# Altium PCB BDD_modul_ARM_v2.2_PCB.PcbDoc
Units mil, origin at the board's own origin, x right, y up, seen from the top; angles counter-clockwise.
Board outline 3858.27 x 3307.09 mil, 2 copper layers (Top Layer, Bottom Layer); 107 components, 72 nets, 361 pads, 130 vias.
Unrouted connection lines stored in the file: 1.
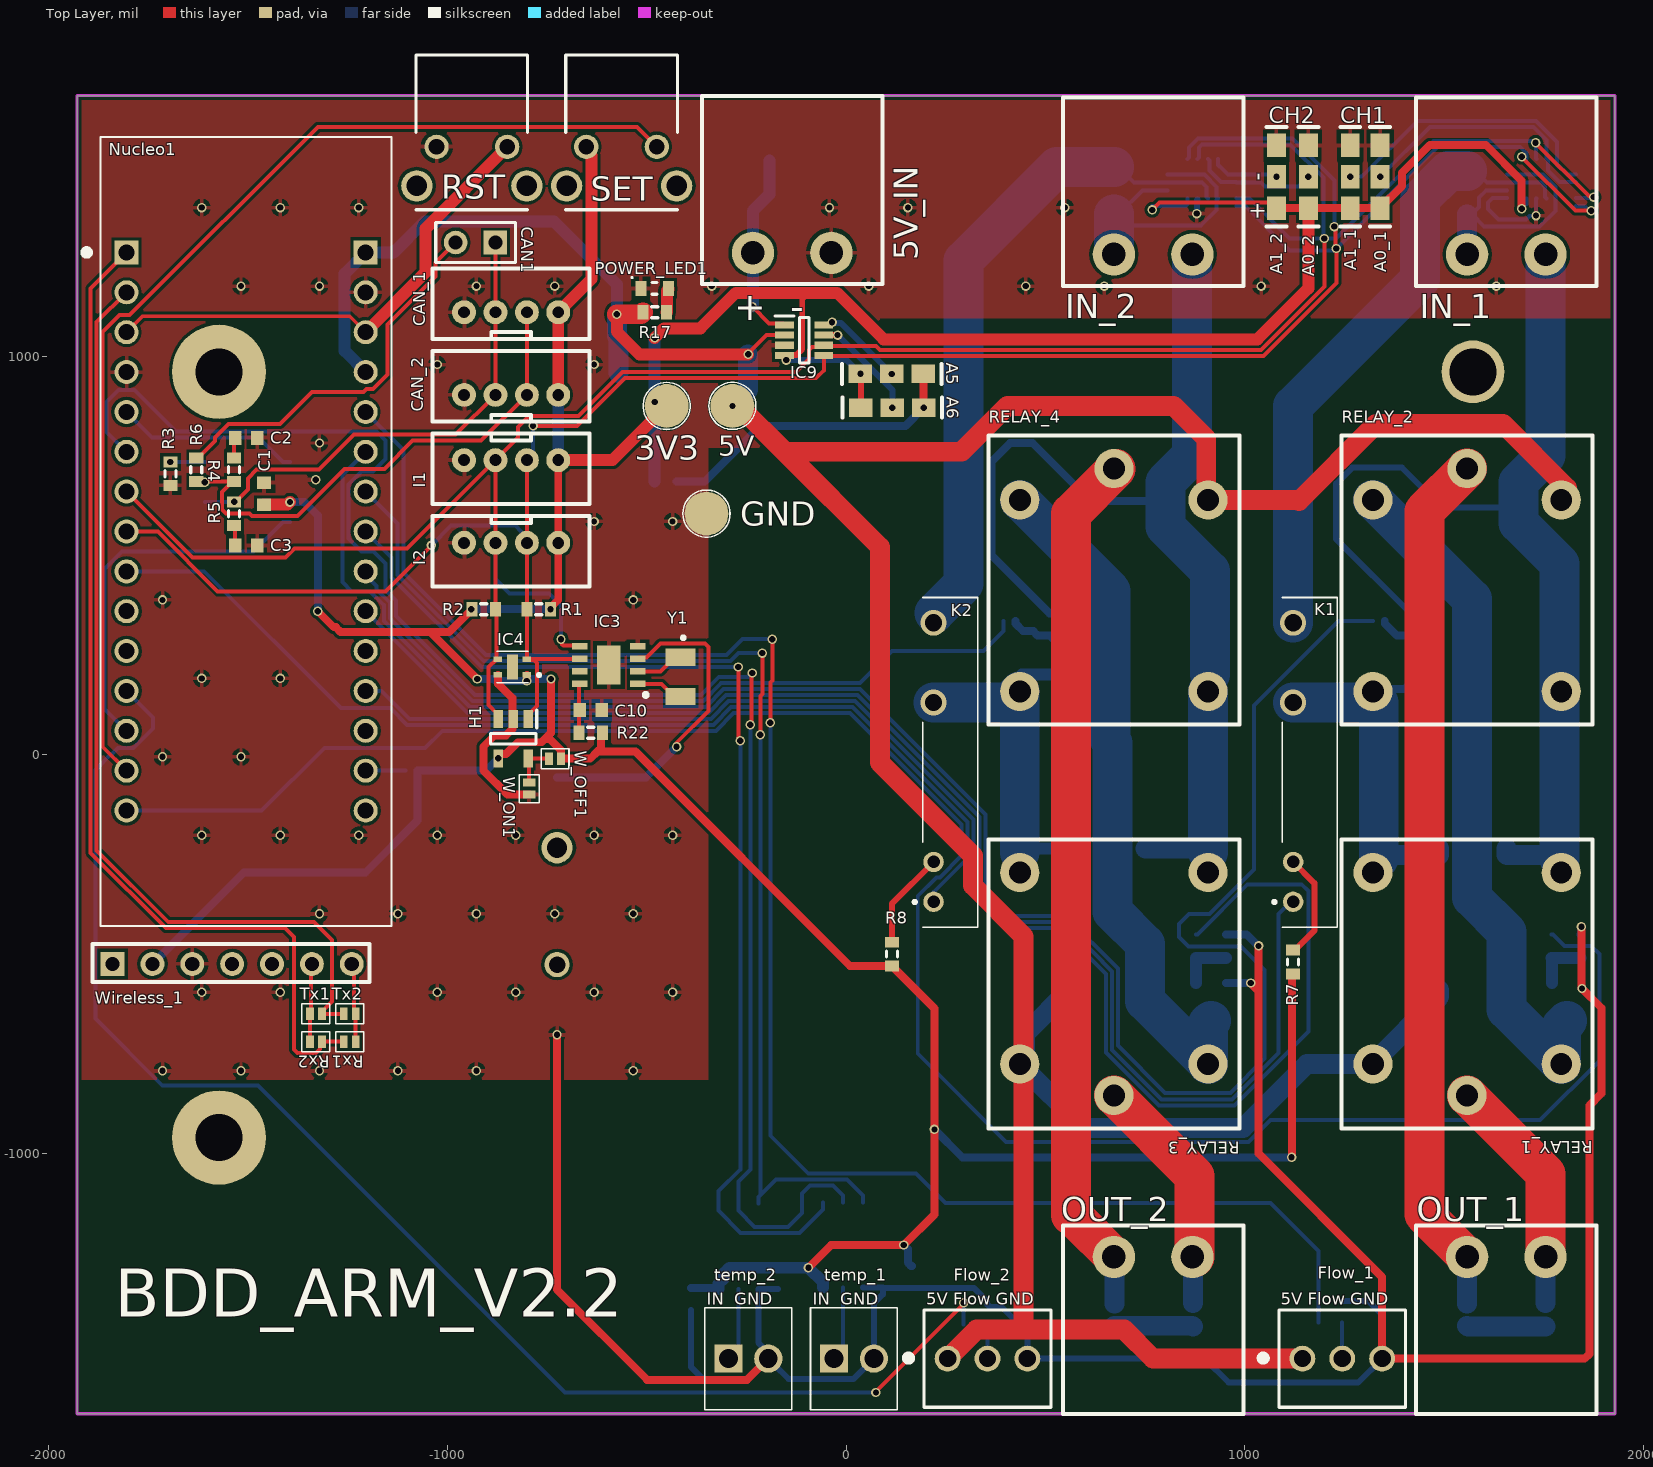
[diagram p0: Top Layer view]
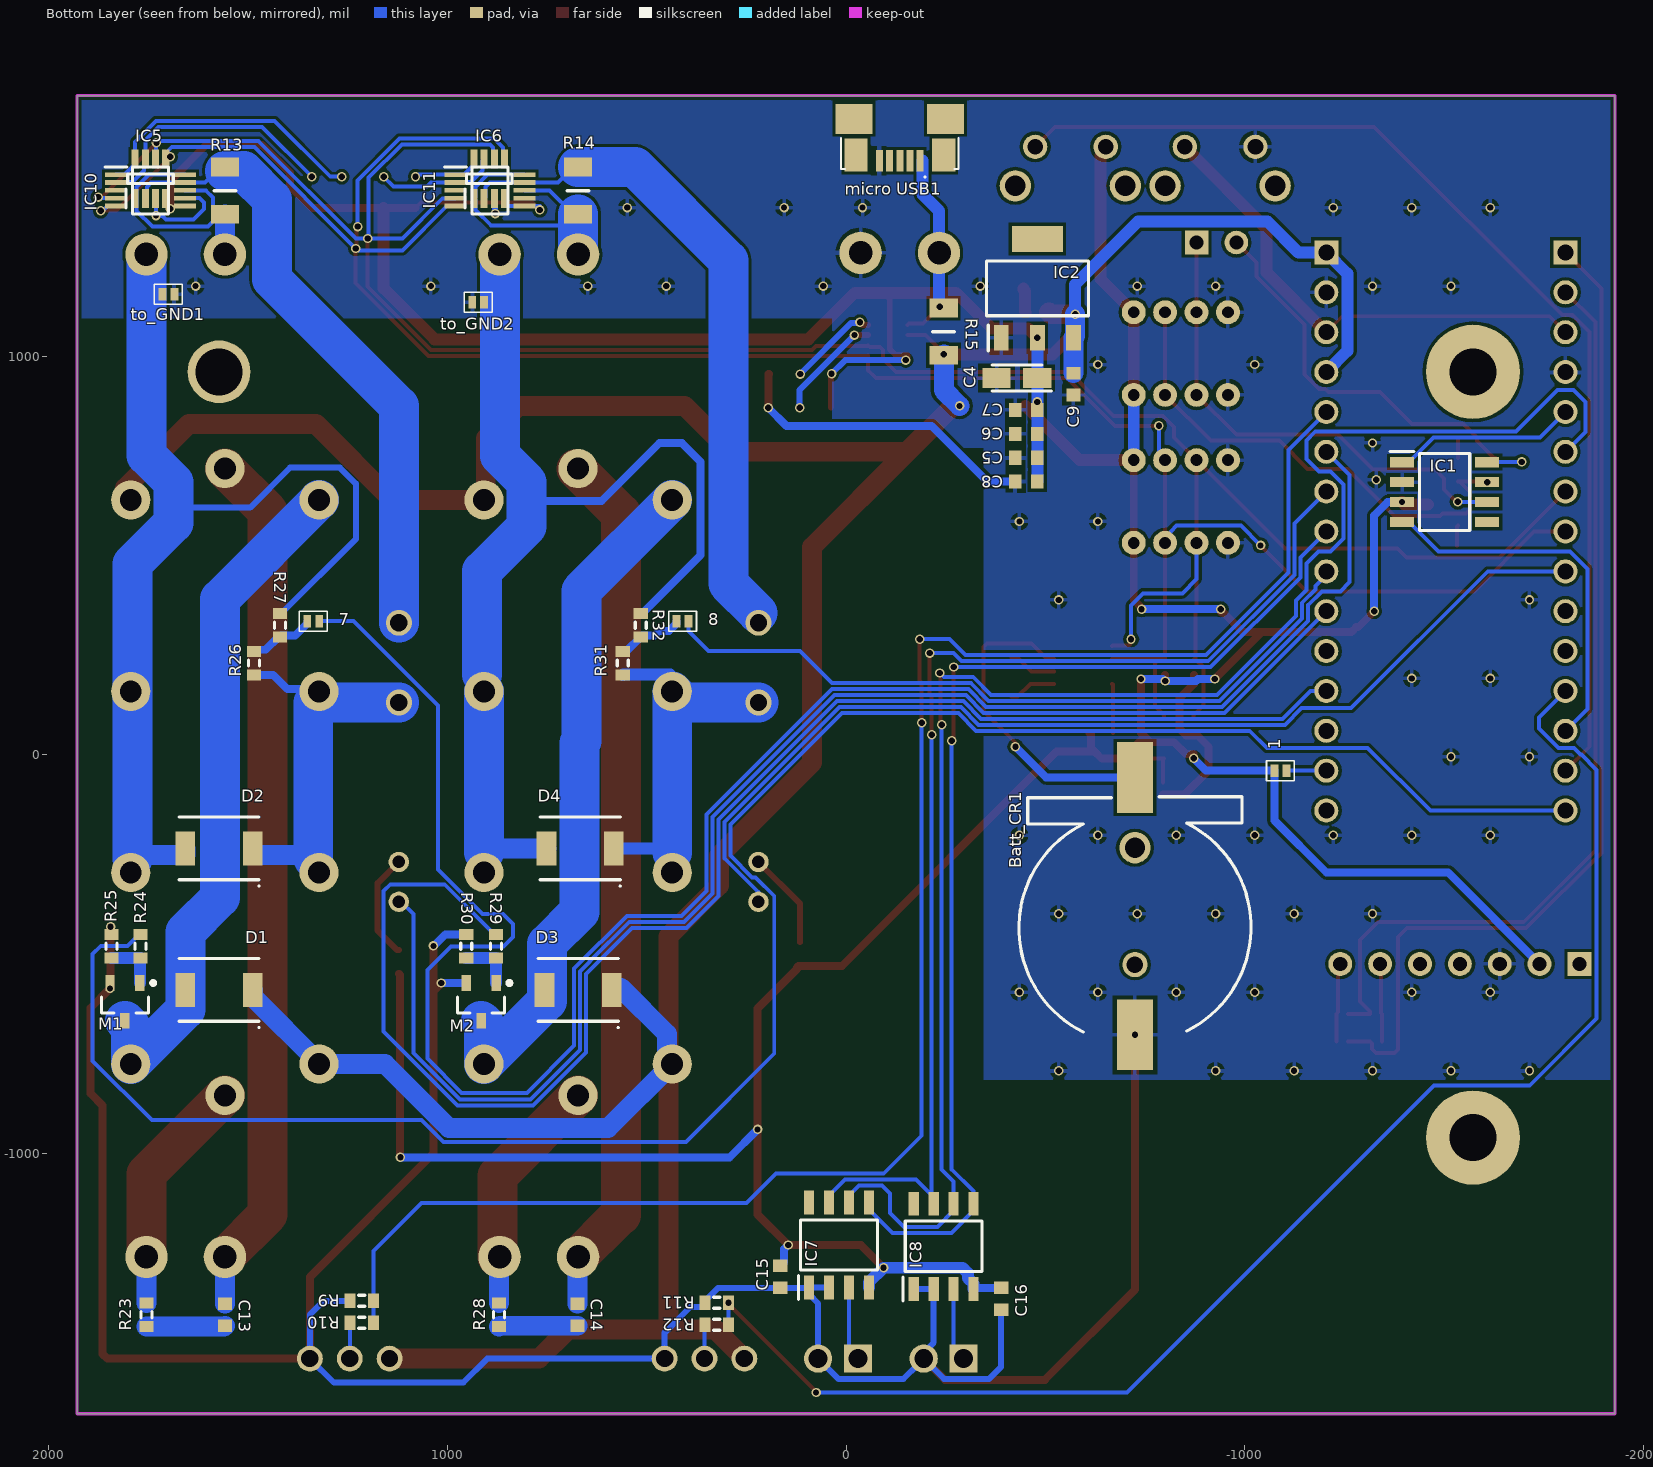
[diagram p1: Bottom Layer view, seen from below]

## Layer stack, top to bottom
Top Solder: solder mask 0.4, Solder Resist, Dk 3.5
Top Layer: signal copper 1.4
Dielectric 1: dielectric 12.6, FR-4, Dk 4.8
Bottom Layer: signal copper 1.4
Bottom Solder: solder mask 0.4, Solder Resist, Dk 3.5

## Board outline
-1929.13,-1653.54 1929.13,-1653.54 1929.13,1653.54 -1929.13,1653.54

## Design rules (kind name [scope] priority, off if disabled: settings)
Clearance [All] p1: gap=7.87 ignorepadtopadclearanceinfootprint=TRUE except(5: Arc-Arc Arc-Track Track-Track SMDPad-SMDPad; 21.26: THPad-THPad)
HoleSize [All] p1: absolutevalues=TRUE maxlimit=248.03 minlimit=7.87 maxpercent=80.000 minpercent=20.000
PolygonConnect [All] p1: connectstyle=Relief reliefconductorwidth=10 reliefentries=4 polygonreliefangle="90 Angle" airgapwidth=10
RoutingVias [All] p1: holewidth=15.75 width=23.62 viastyle="Through Hole" minholewidth=7.87 minwidth=15.75 maxholewidth=248.03 maxwidth=393.7
SilkToSilkClearance [All] p1: silktosilkclearance=1
SilkToSolderMaskClearance [IsPad] p1: minsilkscreentomaskgap=1 clearancetoexposedcopper=TRUE
SolderMaskExpansion [All] p1: expansion=4
Width [All] p1: maxlimit=1000 minlimit=3.5 preferedwidth=10
27 further rules are at their usual default settings.

## Classes and differential pairs
component class Termoclanok: C15 C16 IC7 IC8 temp_1 temp_2
component class SHTC3: IC4
component class RTC: Batt_CR1 C10 IC3 R22 Y1
component class power_5V: 5V 5V_IN A5 A6 IC9 "micro USB1" R15
component class power_3V3: 3V3 C4 C5 C6 C7 C8 C9 IC2 POWER_LED1 R17
component class polarita_BDD_1: 7 C13 D1 D2 M1 R23 R24 R25 R26 R27 RELAY_1 RELAY_2 to_GND1
component class PAC_BDD_2: A0_2 A1_2 IC6 IC11 R14
component class PAC_BDD_1: A0_1 A1_1 IC5 IC10 R13
component class Flow: Flow_1 Flow_2 R9 R10 R11 R12
component class Eprom: H1 W_OFF1 W_ON1
component class Duty_cycle_BDD_2: K2 R8
component class Duty_cycle_BDD_1: K1 R7
component class Designator: C1 C2 C3 CAN1 IC1 R3 R4 R5 R6
component class polarita_BDD_2: 8 C14 D3 D4 M2 R28 R29 R30 R31 R32 RELAY_3 RELAY_4 to_GND2
component class BDD_modul_ARM_v2.1_Sheet: 1 CAN_1 CAN_2 GND I1 I2 IN_1 IN_2 Nucleo1 Nucleo? OUT_1 OUT_2 R1 R2 RST Rx1 Rx2 SET Tx1 Tx2 Wireless_1

## Components (designator, comment, footprint, x,y, rotation, side; value= is the part's Value field where it differs from the comment)
1 "JMP" JMP -1090,-40 r0 bottom
3V3 "3V3" 1508000150000030 -450,875 r90 top
5V "5V" 1508000150000030 -285,875 r180 top
5V_IN "B+,A-" CON_2CH_PLUG -135,1259.06 r180 top (schematic designator 3)
7 "JMP" JMP 1336.61,335 r180 bottom
8 "JMP" JMP 410,335 r180 bottom
A0_1 "ADR_PAD" SOLDER_PAD 1340,1450 r0 top
A0_2 "ADR_PAD" SOLDER_PAD 1160,1450 r0 top
A1_1 "ADR_PAD" SOLDER_PAD 1265,1450 r0 top
A1_2 "ADR_PAD" SOLDER_PAD 1080,1450 r0 top
A5 "ADR_PAD" SOLDER_PAD 115,955.63 r270 top
A6 "ADR_PAD" SOLDER_PAD 116.26,870.63 r270 top
Batt_CR1 "Battery" "Battery 1220" -725,-380 r0 bottom
C1 "0,1uF" 1608[0603] -1460,655 r90 top value=100pF
C2 "560pF" 1608[0603] -1505,795 r0 top value=100pF
C3 "560pF" 1608[0603] -1505,525 r0 top value=100pF
C4 "10uF" CAPPM3216X180N -428.82,945 r0 bottom
C5 "4,7uF" 1608[0603] -452.44,745 r0 bottom value=100pF
C6 "4,7uF" 1608[0603] -452.44,805 r0 bottom value=100pF
C7 "4,7uF" 1608[0603] -452.44,865 r0 bottom value=100pF
C8 "4,7uF" 1608[0603] -452.44,685 r0 bottom value=100pF
C9 "100nF" 1608[0603] -570.55,930 r270 bottom value=100pF
C10 "3.3uF" 1608[0603] -640,111.85 r0 top
C13 "100nF" 1608[0603] 1558.15,-1405 r90 bottom value=100pF
C14 "100nF" 1608[0603] 673.43,-1405 r90 bottom value=100pF
C15 "0.1uF" 1608[0603] 165,-1310 r90 bottom
C16 "0.1uF" 1608[0603] -389.45,-1365 r90 bottom
CAN1 "Header 2" HDR1X2 -879.37,1285 r180 top
CAN_1 "JST-4-STRAIGHT" JST-4-STRAIGHT -840,1110 r0 top
CAN_2 "JST-4-STRAIGHT" JST-4-STRAIGHT -840,902.79 r0 top
D1 "SK52-DIO" D5A20V 1572.83,-590 r0 bottom
D2 "SS14" D5A20V 1572.83,-235 r0 bottom
D3 "SK52-DIO" D5A20V 671.85,-590 r0 bottom
D4 "SS14" D5A20V 666.85,-235 r0 bottom
Flow_1 "3way header" 1725669 1345,-1515 r0 top
Flow_2 "3way header" 1725669 455,-1515 r0 top
GND "5018" 1508000150000030 -350,605 r0 top
H1 "AT24C01D-STUM-T" SOT95P280X145-5N -835,40 r270 top
I1 "JST-4-STRAIGHT" JST-4-STRAIGHT -840,738.88 r180 top
I2 "JST-4-STRAIGHT" JST-4-STRAIGHT -840,531.67 r180 top
IC1 "MCP2551-I_SN" SOIC127P600X175-8N -1501.77,658.88 r180 bottom
IC2 "LD1117S33TR" SOT230P700X180-4N -480,1170 r90 bottom
IC3 "PCF8523TK_1,118" SON80P400X400X100-9N -595,225 r180 top
IC4 "SHTC3" SHTC3 -821.26,219.68 r90 top
IC5 "INA219AIDCNR" SOT65P280X145-8N 1745,1445 r90 bottom
IC6 "INA219AIDCNR" SOT65P280X145-8N 895,1445 r90 bottom
IC7 "MAX6675ISA" SOIC127P600X175-8N 17.64,-1230 r90 bottom
IC8 "MAX6675ISA" SOIC127P600X175-8N -245,-1233.23 r90 bottom
IC9 "INA219AIDCNR" SOT65P280X145-8N -105,1040 r0 top
IC10 "INA226AIDGSR" SOP50P490X110-10N 1745,1415.79 r180 bottom
IC11 "INA226AIDGSR" SOP50P490X110-10N 893.39,1415.79 r180 bottom
IN_1 "B+,A-" CON_2CH_PLUG 1656.57,1255 r180 top
IN_2 "B+,A-" CON_2CH_PLUG 770.59,1255 r180 top
K1 "AQZ102" AQZ102 1232.09,-19.06 r90 top
K2 "AQZ102" AQZ102 330,-19.06 r90 top
M1 "NMOS" SOT23 1809.06,-620 r270 bottom
M2 "NMOS" SOT23 915.35,-620 r270 bottom
"micro USB1" "micro USB" "micro USB" -135,1595 r0 bottom
Nucleo1 "NUCLEO-F303K8" *MODULE_NUCLEO-F303K8_NUCLEO-F303K8(Primary) -1505,560 r0 top
OUT_1 "B+,A-" CON_2CH_PLUG 1656.57,-1260 r0 top
OUT_2 "B+,A-" CON_2CH_PLUG 770.59,-1260 r0 top
POWER_LED1 "LED" LED5mA -480,1170 r180 top
R1 "4k7" J1-0603 -771.1,365 r0 top value=1K5
R2 "4k7" J1-0603 -908.9,365 r180 top value=1K5
R3 "4,7K" J1-0603 -1695,705 r270 top value=3,3k
R4 "100R" J1-0603 -1535,715 r270 top value=3,3k
R5 "100R" J1-0603 -1535,605 r90 top value=3,3k
R6 "120R" J1-0603 -1630,715 r270 top value=3,3k
R7 "220 Ohm" J1-0603 1121.85,-520 r90 top value=10K
R8 "220 Ohm" J1-0603 115,-500 r90 top value=10K
R9 "2K" J1-0603 1215,-1370 r180 bottom
R10 "1K" J1-0603 1215,-1425 r0 bottom
R11 "2K" J1-0603 324.53,-1375 r180 bottom
R12 "1K" J1-0603 324.53,-1430 r0 bottom
R13 "2mOhm" RESC3216X75N 1558.15,1415 r270 bottom
R14 "2mOhm" RESC3216X75N 672.16,1415 r270 bottom
R15 "2mOhm" RESC3216X75N -245,1061.26 r90 bottom
R17 "430R" J1-0603 -480,1110 r0 top
R22 "1K" J1-0603 -640,55 r180 top
R23 "15R" J1-0603 1755,-1405 r270 bottom value=2R
R24 "5R" J1-0603 1770,-480 r270 bottom value=200K
R25 "100K" J1-0603 1842.91,-480 r90 bottom value=200K
R26 "100K" J1-0603 1485,230 r90 bottom value=200K
R27 "8K" J1-0603 1420,325 r90 bottom value=200K
R28 "15R" J1-0603 870.28,-1405 r270 bottom value=2R
R29 "5R" J1-0603 877.95,-480 r270 bottom value=200K
R30 "100K" J1-0603 952.76,-480 r90 bottom value=200K
R31 "100K" J1-0603 560,230 r90 bottom value=200K
R32 "8K" J1-0603 515,325 r90 bottom value=200K
RELAY_1 "RELAY_DC" RELAY_DC 1558.15,-854.69 r90 top
RELAY_2 "RELAY_DC" RELAY_DC 1558.15,717.77 r270 top
RELAY_3 "RELAY_DC" RELAY_DC 672.16,-854.69 r90 top
RELAY_4 "RELAY_DC" RELAY_DC 672.16,717.77 r270 top
RST "button_right_angle" 1825027-8 -938.58,1755.31 r180 top
Rx1 "JMP" JMP -1245,-720 r180 top
Rx2 "JMP" JMP -1330,-720 r180 top
SET "button_right_angle" 1825027-8 -562.99,1755.31 r180 top
temp_1 "1725656" 282834-2_1 -30,-1515 r0 top
temp_2 "1725656" 282834-2_1 -295,-1515 r0 top
to_GND1 "JMP" JMP 1700,1155 r180 bottom
to_GND2 "JMP" JMP 922.8,1135 r0 bottom
Tx1 "JMP" JMP -1330,-650 r0 top
Tx2 "JMP" JMP -1245,-650 r0 top
W_OFF1 "JMP" JMP -730,-10 r0 top
W_ON1 "JMP" JMP -795,-85 r90 top
Wireless_1 "header7" Wireless -1840,-525 r0 top
Y1 "ABS07-120-32.768KHZ-T" ABS-07 -415,195 r270 top

## Footprints (in the part's own frame and the unit in brackets; to place one, negate y for a bottom-side part, rotate by r counter-clockwise, add the part's x,y. Pads: shape width x height; smd on the part's side, far side on the other; paste and mask are expansions set on the pad)
1608[0603] [mm] "Chip Capacitor, Body 1.6x0.8mm, IPC High Density"
  rect 0.8x0.9 smd: 1(-0.7,0) 2(0.7,0)
  body extent -0.87,-0.48 0.87,0.48, height 1.3
282834-2_1 [mm]
  rect 1.8x1.8 hole 1.2: 1(0,0)
  round 1.8 hole 1.2: 2(2.54,0)
  silkscreen extent -1.5,-3.25 4.04,3.25, body extent -1.5,-3.25 4.04,3.25, height 10
1725669 [mm]
  round 1.65 hole 1.1: 1(-5.08,0) 2(-2.54,0) 3(0,0)
  silkscreen extent -7.79,-3.1 1.5,3.1, body extent -6.61,-3.23 1.47,3.27, height 10.03
1825027-8 [mm]
  round 1.55 hole 1: 1(-2.25,5.85) 2(2.25,5.85)
  round 2 hole 1.3: 3(-3.505,8.34) 4(3.505,8.34)
  silkscreen extent -3.55,0 3.55,9.86, body extent -4.2,-2.58 4.2,9.78, height 7
1508000150000030 [mil]
  round 110 smd: 1(0,0)
  silkscreen extent -59,-59 59,59
*MODULE_NUCLEO-F303K8_NUCLEO-F303K8(Primary) [mm]
  rect 1.53x1.53 hole 1.02: 3.1(-7.62,17.78) 4.1(7.62,17.78)
  round 1.53 hole 1.02: 3.2(-7.62,15.24) 3.3(-7.62,12.7) 3.4(-7.62,10.16) 3.5(-7.62,7.62) 3.6(-7.62,5.08) 3.7(-7.62,2.54) 3.8(-7.62,0) 3.9(-7.62,-2.54) 3.10(-7.62,-5.08) 3.11(-7.62,-7.62) 3.12(-7.62,-10.16) 3.13(-7.62,-12.7) 3.14(-7.62,-15.24) 3.15(-7.62,-17.78) 4.2(7.62,15.24) 4.3(7.62,12.7) 4.4(7.62,10.16) 4.5(7.62,7.62) 4.6(7.62,5.08) 4.7(7.62,2.54) 4.8(7.62,0) 4.9(7.62,-2.54) 4.10(7.62,-5.08) 4.11(7.62,-7.62) 4.12(7.62,-10.16) 4.13(7.62,-12.7) 4.14(7.62,-15.24) 4.15(7.62,-17.78)
  silkscreen extent -10.36,-25.14 9.27,25.14, body extent -9.4,-24.26 9.14,27.75, height 7.57
ABS-07 [mm]
  rect 1.1x1.9 smd: 1(-1.25,0) 2(1.25,0)
  silkscreen extent -2.58,0.09 -2.41,0.26, body extent -1.65,-0.89 1.65,0.89, height 0.9
AQZ102 [mm]
  round 1.3 hole 0.8: 1(-8.89,2.8) 2(-6.35,2.8)
  round 1.65 hole 1.1: 3(3.81,2.8) 4(8.89,2.8)
  silkscreen extent -10.5,0 10.5,4.1, body extent -10.5,0 10.5,3.5, height 11.1
"Battery 1220" [mm]
  rect 2.3x4.5 smd: 1(0,-8.2) 2(0,8.2)
  round 2 hole 1.3: ""(0,-3.725)
  round 1.6 hole 1.05: ""(0,3.725)
  silkscreen extent -7.39,-6.97 7.4,8.03, body extent -7.37,-8.9 7.37,10.3, height 4.35
CAPPM3216X180N [mm]
  rect 1.8x1.3 smd: 1(-1.3,0) 2(1.3,0)
  silkscreen extent -2.2,-0.82 1.6,0.82, body extent -1.6,-0.82 1.6,0.82, height 1.8
CON_2CH_PLUG [mm] "TBG-5.0-KW-2P"
  round 2.7 hole 1.5: 1(-2.5,0) 2(2.5,0)
  silkscreen extent -5.75,-10 5.75,2, body extent -6,-10.09 6,1.91, height 8.5
D5A20V [mm] "Schottky 5A 20V"
  rect 1.25x2.15 smd: 1(-2.15,0) 2(2.15,0)
  silkscreen extent -2.6,-2 2.55,2.45, body extent -2.7,-2 2.7,2, height 2.4
HDR1X2 [mm] "Connector; Header; 2 Position"
  rect 1.5x1.5 hole 0.9: 1(0,0)
  round 1.5 hole 0.9: 2(2.54,0)
  silkscreen extent -1.27,-1.27 3.81,1.27
J1-0603 [mm] "Chip Resistor, Body 1.6x0.8mm, IPC High Density"
  rect 0.7x0.9 smd: 1(-0.75,0) 2(0.75,0)
  silkscreen extent -0.2,-0.35 0.2,0.35, body extent -0.85,-0.48 0.85,0.48, height 0.9
JMP [mm] "Jumper_solder"
  rect 0.5x0.8 smd: 1(-0.381,0) 2(0.381,0)
  silkscreen extent -0.89,-0.64 0.89,0.64
JST-4-STRAIGHT [mil] "B4B-PH-K-S"
  round 60 hole 30: 1(-118.11,0) 2(-39.37,0) 3(39.37,0) 4(118.11,0)
  silkscreen extent -197,-67 197,110, body extent -195,-69 195,109, height 98
LED5mA [mm]
  rect 0.7x0.95 smd: 1(-0.875,0) 2(0.875,0)
  silkscreen extent -0.15,-0.74 1.49,0.38, body extent -0.81,-0.4 0.81,0.4, height 0.6
"micro USB" [mm]
  rect 0.45x1.38 smd: 1(-1.3,2.66) 2(-0.65,2.66) 3(0,2.66) 4(0.65,2.66) 5(1.3,2.66)
  rect 1.475x2.1 smd: SH1(-2.8,2.3) SH2(2.8,2.3)
  rect 2.375x1.9 smd: SH3(-2.913,0) SH6(2.913,0)
  silkscreen extent -3.75,1.2 3.75,3.75, body extent -3.99,-2.78 3.99,2.65, height 2.69
RELAY_DC [mm] "RM51-3011-85-1005"
  round 2.5 hole 1.4: 1(0,0) 2(2,6) 3(14.2,6) 4(14.2,-6) 5(2,-6)
  silkscreen extent -2.1,-8 16.3,8, body extent -2.65,-8.01 16.85,7.99, height 17.5
RESC3216X75N [mm]
  rect 1.2x1.8 smd: 1(-1.5,0) 2(1.5,0)
  silkscreen extent 0,-0.7 0,0.7, body extent -1.6,-0.8 1.6,0.8, height 0.75
SHTC3 [mm]
  rect 0.35x0.55 smd: 1(-0.5,-0.525) 2(0.5,-0.525) 3(0.5,1.325) 4(-0.5,1.325)
  rect 1.6x0.7 smd: 5(0,0.4)
  silkscreen extent -1,-1.4 1,1.4
SOIC127P600X175-8N [mm]
  rect 1.525x0.65 smd: 1(-2.712,1.905) 2(-2.712,0.635) 3(-2.712,-0.635) 4(-2.712,-1.905) 5(2.712,-1.905) 6(2.712,-0.635) 7(2.712,0.635) 8(2.712,1.905)
  silkscreen extent -3.47,-2.45 1.6,2.58, body extent -3,-2.45 3,2.45, height 1.75
SOLDER_PAD [mm]
  rect 1.2x1.5 smd: 1(0,2) 2(0,0) 3(0,-2)
  silkscreen extent -0.64,-3.17 0.64,3.17
SON80P400X400X100-9N [mm]
  rect 1x0.4 smd: 1(-1.85,1.2) 2(-1.85,0.4) 3(-1.85,-0.4) 4(-1.85,-1.2) 5(1.85,-1.2) 6(1.85,-0.4) 7(1.85,0.4) 8(1.85,1.2)
  rect 1.5x2.5 smd: 9(0,0)
  silkscreen extent -2.48,1.78 -2.23,2.02, body extent -2.05,-2 2.05,2, height 1
SOP50P490X110-10N [mm]
  rect 1.4x0.3 smd: 1(-2.2,1) 2(-2.2,0.5) 3(-2.2,0) 4(-2.2,-0.5) 5(-2.2,-1) 6(2.2,-1) 7(2.2,-0.5) 8(2.2,0) 9(2.2,0.5) 10(2.2,1)
  silkscreen extent -2.9,-1.5 1.15,1.5, body extent -2.45,-1.5 2.45,1.5, height 1.1
SOT23 [mm] "SOT23, 3-Leads, Body 2,56x2,37mm, Pitch 0,95mm, IPC Medium Density"
  rect 1x0.6 smd: 1(-1.2,0.95) 2(-1.2,-0.95) 3(1.2,0)
  silkscreen extent -1.32,-1.5 0.7,1.92, body extent -1.32,-1.52 1.32,1.52, height 1.12
SOT65P280X145-8N [mm]
  rect 1.2x0.45 smd: 1(-1.25,0.975) 2(-1.25,0.325) 3(-1.25,-0.325) 4(-1.25,-0.975) 5(1.25,-0.975) 6(1.25,-0.325) 7(1.25,0.325) 8(1.25,0.975)
  silkscreen extent -1.85,-1.45 0.3,1.55, body extent -1.4,-1.45 1.4,1.45, height 1.45
SOT95P280X145-5N [mm]
  rect 1.15x0.6 smd: 1(-1.25,0.95) 2(-1.25,0) 3(-1.25,-0.95) 4(1.25,-0.95) 5(1.25,0.95)
  silkscreen extent -1.83,-1.45 0.33,1.5, body extent -1.4,-1.45 1.4,1.45, height 1.45
SOT230P700X180-4N [mm]
  rect 1.65x0.95 smd: 1(-3.15,2.3) 2(-3.15,0) 3(-3.15,-2.3)
  rect 1.65x3.25 smd: 4(3.15,0)
  silkscreen extent -3.98,-3.25 1.75,3.25, body extent -3.5,-3.25 3.5,3.25, height 1.8
Wireless [mil]
  rect 60x60 hole 35.43: 1(0,0)
  round 60 hole 35.43: 2(100,0) 3(200,0) 4(300,0) 5(400,0) 6(500,0) 7(600,0)
  silkscreen extent -50,-45 645,50, body extent -80,-1235 786,60, height 657
